# KiCad board cleanrobot-square-main.kicad_pcb (continued)
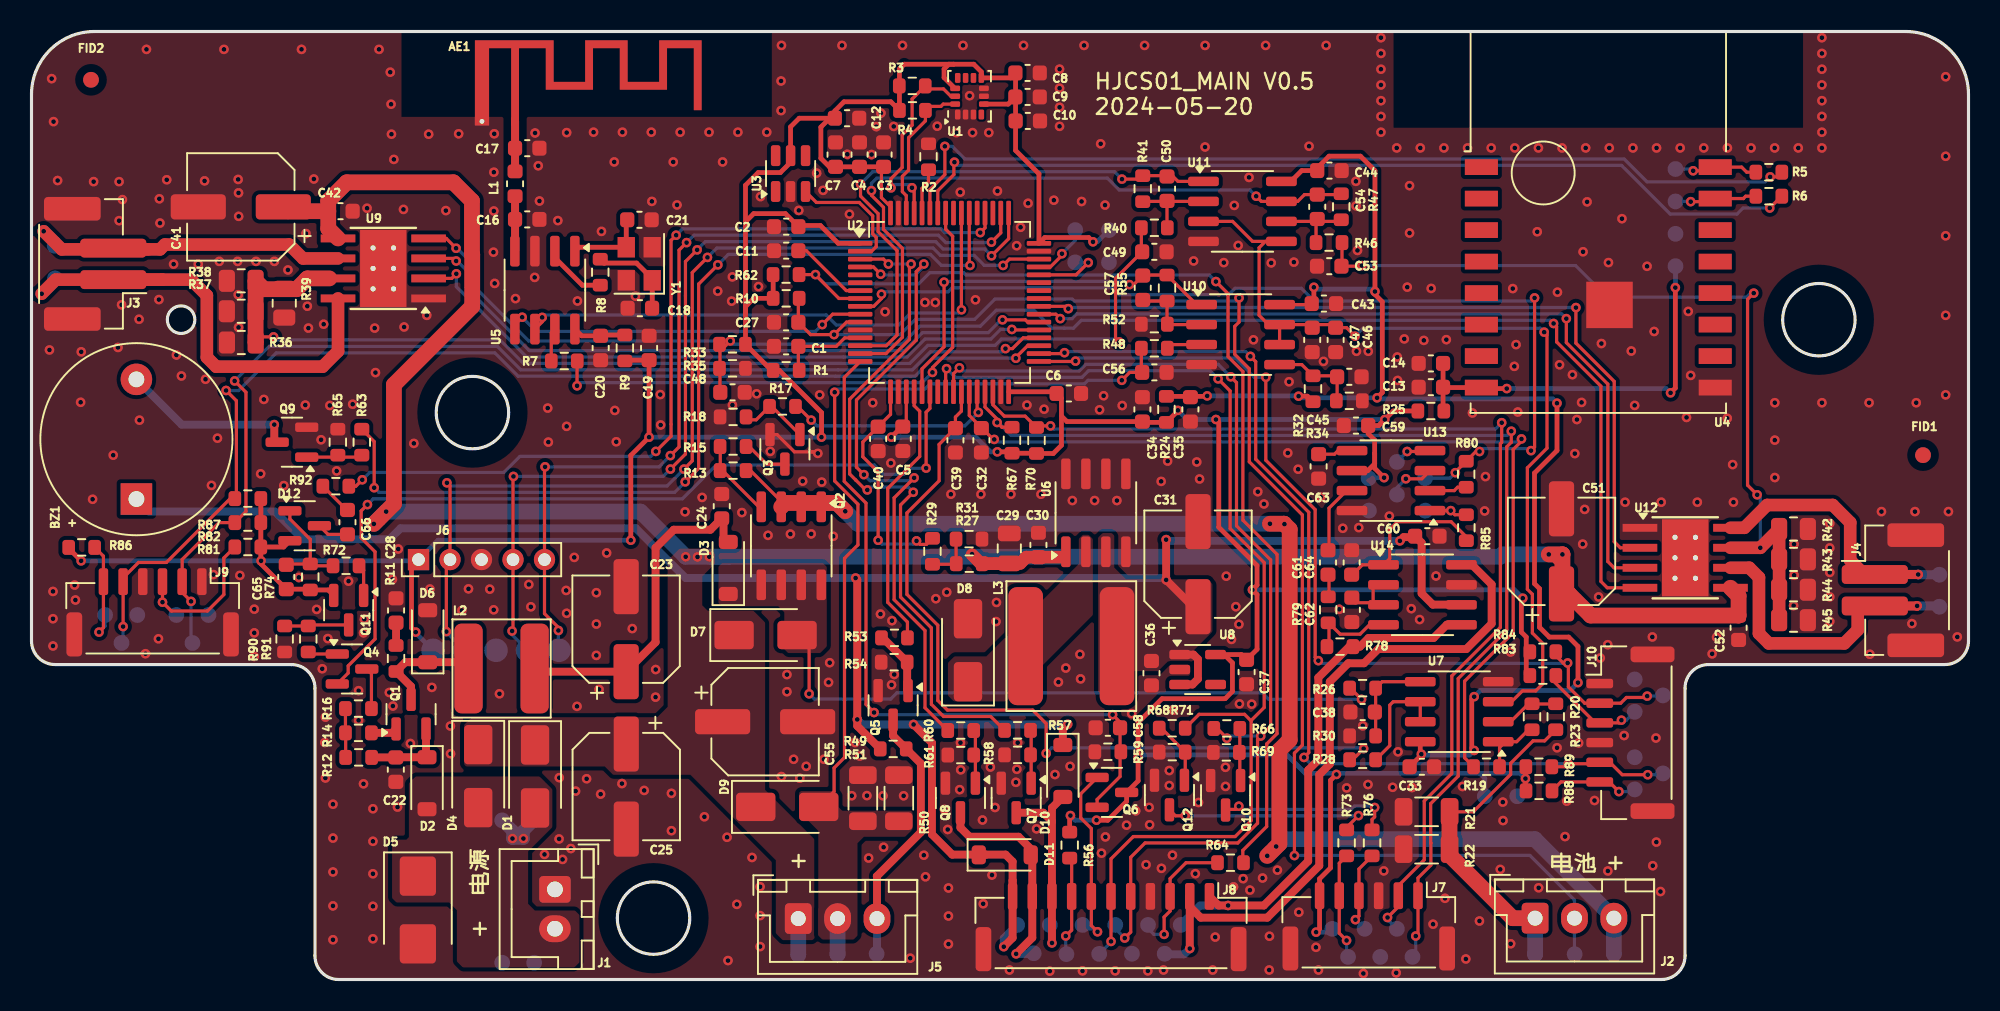
[diagram p0: board, top side]
## Routing (per net, layer and track width the routed paths; a pad name or vN(x,y) marks a point on that pad's centre or on a via; arc(x,y) is an arc through that point) (continued)
EDGE_DET_LB: length 73
  Top w0.203: U2.36 62.97,40.75 62.29,40.06 61.85,40.06 v1(61.85,40.06) ; v1(10.13,24.01) 9.43,24.72 9.43,25.12 J9.2 9.57,26.67 11.91,29.02 R82.2 13.62,29.72 13.62,37.29 v1(12.9,38.01)
  Bottom w0.203: v1(61.85,40.06) 61.64,39.86 57.08,39.86 55.94,38.71 51.22,38.71 51.22,38.72 31.07,38.72 29.59,40.2 15.12,40.2 15.1,40.21 v1(12.9,38.01) ; TP52.1 10.13,21.46 v1(10.13,24.01)
EDGE_DET_LT: length 74.6
  Top w0.203: v1(62.51,39.45) 62.51,39.5 63.25,40.25 U2.35 ; v1(5.82,22.41) J9.5 5.82,25.51 6.8,26.48 8.57,26.48 12.62,30.54 R87.2 13.01,30.63 13.01,36.75 v1(12.36,37.4)
  Bottom w0.203: v1(12.36,37.4) 12.64,37.4 12.65,37.4 13.15,37.4 15.54,39.79 29.42,39.79 30.9,38.31 51.05,38.31 51.05,38.31 56.11,38.31 57.25,39.45 v1(62.51,39.45) ; TP57.1 5.82,21.47 v1(5.82,22.41)
EDGE_DET_RB: length 59.7
  Top w0.203: 96.57,20.79 97.26,20.1 v1(97.54,20.1) 97.59,20.05 97.59,18.58 98.63,17.55 J10.2 100.91,17.55 101.28,17.91 102.51,17.91 v1(102.59,18) ; U2.33 66.27,39.25 v1(66.3,39.27) ; v1(81.72,20.25) 81.51,20.45 81.51,29.84 78.38,32.97 v1(78.38,38.24)
  Bottom w0.203: v1(97.54,20.1) 97.52,20.07 81.89,20.07 v1(81.72,20.25) ; v1(78.38,38.24) 77.65,38.24 76.42,39.47 66.5,39.47 v1(66.3,39.27) ; TP53.1 103.56,18 v1(102.59,18)
EDGE_DET_RT: length 65.1
  Top w0.203: v1(102.63,13) 101.01,13 100.22,13.8 J10.5 ; U2.34 65.54,39.75 v1(65.59,39.8) ; 99.49,13.7 v1(97.58,13.7) 97.39,13.51 R89.2 ; v1(77.4,39.57) 77.74,39.23 77.74,33.04 81.11,29.67 81.11,14.4 v1(80.81,14.1)
  Bottom w0.203: TP58.1 103.52,13 v1(102.63,13) ; v1(97.58,13.7) 81.21,13.7 v1(80.81,14.1) ; v1(77.4,39.57) 77.09,39.88 65.67,39.88 v1(65.59,39.8)
LED_BLUE: length 69.9
  Top w0.203: U2.24 58.05,38.73 v1(58.11,38.79) ; R68.1 74.14,16.84 77.03,16.84 77.45,16.42 77.45,10.1 76.43,9.08 69.96,9.08 68.55,7.66 J8.6 v1(68.55,2.42) ; 77.45,16.45 78.28,17.28 78.28,26.48 76.11,28.64 76.11,37.38 v1(75.35,38.14)
  Bottom w0.203: TP40.1 68.55,2.38 v1(68.55,2.42) ; v1(75.35,38.14) 74.83,38.66 67.12,38.66 66.7,38.23 58.67,38.23 58.11,38.79 v1(58.11,38.79)
LED_RED: length 67.8
  Top w0.203: v1(75.91,15.32) 75.29,15.94 R66.1 ; U2.25 58.55,38.47 v1(58.92,38.84) ; v1(76.15,38.27) 76.52,37.91 76.52,28.81 78.68,26.64 78.68,16.09 77.85,15.26 77.85,9.93 76.6,8.67 70.71,8.67 69.8,7.76 J8.5 69.8,3.01 v1(69.42,2.63)
  Bottom w0.203: v1(78.06,15.46) 76.05,15.46 v1(75.91,15.32) ; v1(58.92,38.84) 59.12,38.64 66.53,38.64 66.95,39.07 75.36,39.07 v1(76.15,38.27) ; v1(69.42,2.63) 68.82,3.23 TP26.1
PWM_FAN: length 17.1
  Top w0.203: R53.1 55.62,22.7 54.37,23.95 54.37,31.18 56.4,33.21 56.4,36.08 56.05,36.44 U2.20
PWM_LEFT1: length 42.7
  Top w0.203: U2.38 63.25,41.75 63.11,41.89 v1(61.66,41.89) ; v1(26.97,45.62) 26.8,45.79 U9.3
  Bottom w0.203: v1(61.66,41.89) 61.57,41.89 60.75,41.08 56.58,41.08 55.43,39.93 51.73,39.93 51.72,39.94 31.61,39.94 27.59,43.96 27.59,45.06 27.03,45.62 v1(26.97,45.62)
PWM_LEFT2: length 42.3
  Top w0.203: v1(62.25,41.28) 62.29,41.25 U2.37 ; v1(26.98,44.81) 26.69,44.52 U9.2
  Bottom w0.203: v1(26.98,44.81) 26.98,43.99 31.44,39.53 51.56,39.53 51.56,39.53 55.6,39.53 56.74,40.67 60.92,40.67 61.53,41.28 v1(62.25,41.28)
PWM_RIGHT1: length 52.6
  Top w0.203: v1(65.32,41.97) 65.05,42.25 U2.39 ; v1(97.46,41.97) 97.46,40.44 100.1,37.81 100.1,26.54 100.49,26.14 U12.3
  Bottom w0.203: v1(65.32,41.97) 66.07,41.97 66.37,42.27 97.16,42.27 v1(97.46,41.97)
PWM_RIGHT2: length 51.9
  Top w0.203: U2.40 65.69,42.75 v1(65.84,42.6) ; v1(98.07,42.67) 98.07,40.41 100.5,37.98 100.5,27.8 100.89,27.41 U12.2
  Bottom w0.203: v1(65.84,42.6) 65.91,42.67 98.07,42.67 v1(98.07,42.67)
SCL1: length 12.7
  Top w0.203: U2.61 56.05,50.14 v1(55.91,50.28) ; U1.13 58.38,56.09 57.91,56.55 56.94,56.55 R3.1 55.92,55.91 55.92,54.25 55.29,53.62 55.29,51.57 54.58,50.86 v1(54.58,50.27)
  Bottom w0.203: v1(55.91,50.28) 55.71,50.48 54.79,50.48 v1(54.58,50.27)
SCL2: length 72.4
  Top w0.203: v1(93.97,34.82) 93.97,34.11 93.68,33.83 93.68,22.2 90.59,19.11 90.59,12.91 88.85,11.17 88.85,8.68 88.86,8.67 88.86,7.26 88.04,6.45 J7.1 88.04,2.9 v1(87.9,2.76) ; U2.29 60.55,36.36 61.32,35.59 v1(61.32,35.37) 61.62,35.07 R67.2
  Bottom w0.203: TP42.1 87.9,1.65 v1(87.9,2.76) ; v1(93.97,34.82) 93.69,34.55 62.21,34.55 61.38,35.37 v1(61.32,35.37)
SDA1: length 9.3
  Top w0.203: U1.14 57.9,55.59 57.75,55.44 57.02,55.44 R4.1 56.76,54.53 55.69,53.45 55.69,51.4 55.3,51 55.3,50.03 55.55,49.78 U2.62
SDA2: length 69.4
  Top w0.203: v1(86.11,3.94) 86.79,4.62 J7.2 86.79,5.95 88.44,7.6 88.44,11.33 90.19,13.08 90.19,19.28 93.27,22.36 93.27,34.02 93.36,34.11 93.36,35.07 93.36,35.07 v1(93.36,35.36) ; U2.30 61.05,36.5 61.77,35.77 63.1,35.77 R70.2 63.92,35.15 v1(64.71,35.15)
  Bottom w0.203: v1(86.11,3.94) 86.11,3.81 TP43.1 ; v1(64.71,35.15) 64.91,34.95 92.95,34.95 v1(93.36,35.36)
SPRAY_BACK: length 42.9
  Top w0.203: v1(54.41,45.43) 54.1,45.75 U2.3 ; v1(55.99,30.94) 55.18,30.13 55.18,24.29 57.14,22.33 57.14,17.48 57.92,16.7 60.91,16.7 R57.1 ; v1(55.85,45.43) 55.75,45.33 55.75,40.65 51.95,36.85 51.95,32.1 52.33,31.72 52.33,31.72 52.97,31.09 v1(53.07,31.09)
  Bottom w0.203: v1(55.85,45.43) 55.85,45.43 v1(54.41,45.43) ; v1(55.99,30.94) 55.67,31.27 53.25,31.27 v1(53.07,31.09)
SPRAY_BACK_N: length 13.9
  Top w0.5: 64.8,10.04 64.25,10.59 Q7.3 ; D10.2 64.8,10.9 64.8,6.14 ; 64.8,6.14 J8.9 ; 64.8,6.14 v1(64.8,2.32)
  Bottom w0.5: 64.79,3.34 64.79,2.33 v1(64.8,2.32)
SPRAY_FRONT: length 41.4
  Top w0.203: 58.18,15.81 56.74,17.26 56.74,22.16 54.78,24.12 54.78,30.59 v1(56.05,31.86) ; U2.4 53.46,45.25 v1(53.92,44.79) ; v1(56.66,45.43) 56.18,44.95 56.18,40.6 52.39,36.8 52.39,32.53 v1(52.86,32.06)
  Bottom w0.203: v1(52.86,32.06) 53.24,31.67 55.86,31.67 v1(56.05,31.86) ; v1(56.66,45.43) 56.66,45.3 56.11,44.74 53.97,44.74 v1(53.92,44.79)
SPRAY_FRONT_N: length 14.2
  Top w0.5: v1(62.52,1.63) 63.55,2.65 J8.10 63.55,8.2 62.68,9.07 59.57,9.07 58.99,9.64 Q8.3
  Bottom w0.5: v1(62.52,1.63) 63.6,1.63 TP36.1
START: length 70.2
  Top w0.203: R62.2 v1(49.78,44.76) 49.78,44.74 51.27,43.25 U2.8 ; R64.1 76.92,7.46 76.92,8.2 78.43,9.71 78.43,14.96 79.09,15.61 79.09,27 76.92,29.17 76.92,38.61 75.98,39.55 75.98,43.55 v1(75.21,44.32)
  Bottom w0.203: v1(75.21,44.32) 74.8,44.74 59.34,44.74 59.19,44.89 57.05,44.89 56.33,44.18 50.37,44.18 v1(49.78,44.76)
SWCLK: length 58.7
  Top w0.203: v1(42.27,46.33) 41.53,45.59 41.53,33.37 v1(40.57,32.41) ; v1(30.52,22.13) 30.58,22.19 J6.4 30.58,31.92 v1(30.6,31.95) ; U2.49 62.05,47.04 v1(60.96,45.95)
  Bottom w0.203: v1(30.6,31.95) 40.11,31.95 v1(40.57,32.41) ; v1(60.96,45.95) 60.53,46.39 57.89,46.39 57.42,46.86 42.79,46.86 v1(42.27,46.33) ; TP25.1 30.52,21.89 v1(30.52,22.13)
SWDIO: length 62.9
  Top w0.203: U2.46 62.1,45.75 v1(61.69,45.34) ; v1(42.92,45.86) 41.96,44.89 41.96,32.94 v1(41.43,32.41) ; v1(26.34,22.09) 26.34,26.43 J6.2 26.58,31.34 v1(26.38,31.54)
  Bottom w0.203: v1(61.69,45.34) 60.5,45.34 59.87,45.98 57.72,45.98 57.25,46.45 43.52,46.45 v1(42.92,45.86) ; v1(26.38,31.54) 26.58,31.34 40.36,31.34 v1(41.43,32.41) ; TP23.1 26.34,22.06 v1(26.34,22.09)
TEMP: length 92.8
  Top w0.203: U2.11 51.76,41.75 v1(50.96,40.95) 49.47,40.95 C27.1 48.69,43.21 48.75,43.26 ; v1(80.2,7.87) 80.2,14.38 80.7,14.88 80.7,29.5 77.33,32.87 77.33,38.78 76.41,39.7 76.41,41.47 76.68,41.75 v1(76.68,43.28)
  Bottom w0.203: v1(76.68,43.28) 76.48,43.08 66.22,43.08 66.09,43.21 61.18,43.21 59.89,41.92 56.13,41.92 55.17,40.95 v1(50.96,40.95) ; v1(80.2,7.87) 80.21,7.88 95.15,7.88 97.98,5.05 J2.2 97.98,1.62 TP8.1
UART2_RX: length 56.1
  Top w0.203: v1(40.57,33.27) 41.12,33.82 41.12,46.32 v1(41.6,46.79) ; v1(33.46,22.16) 33.46,22.35 32.58,23.23 J6.5 32.58,32.52 v1(32.61,32.56) ; v1(60.96,46.82) 61.55,47.41 U2.50
  Bottom w0.203: v1(60.96,46.82) 60.93,46.8 58.05,46.8 57.59,47.26 42.07,47.26 v1(41.6,46.79) ; v1(32.61,32.56) 39.85,32.56 v1(40.57,33.27) ; v1(33.46,22.16) 33.46,20.95 TP30.1
VOICE_DATA: length 61.6
  Top w0.203: U2.9 53.48,42.75 53.97,43.24 v1(53.97,43.52) ; v1(90.41,32.18) 90.41,32.22 R80.1 91.72,33.53 v1(91.95,33.53) ; v1(95.22,33.59) 95.44,33.81 v1(95.44,43.28)
  Bottom w0.203: v1(91.95,33.53) 92.13,33.71 95.09,33.71 v1(95.22,33.59) ; v1(53.97,43.52) 54.13,43.67 58.2,43.67 58.45,43.92 68.62,43.92 69.06,43.49 76.02,43.49 76.43,43.89 80.63,43.89 81.45,43.08 95.24,43.08 v1(95.44,43.28) ; v1(90.41,32.18) 90.06,31.83 TP46.1
VREF55: length 58.2
  Top w0.203: v1(84.05,40.85) 83.51,41.39 82.81,41.39 82.61,41.59 U10.7 ; U10.6 U10.7 ; U10.7 78.54,41.59 77.95,42.18 77.95,46.47 78.36,46.87 U11.5 77.54,46.87 76.27,48.14 U11.3 ; U7.3 93.99,17.64 94.67,18.33 95.51,18.33 95.96,18.78 95.96,21.35 95.31,22 95.31,24.47 94.99,24.78 94.99,32.49 96.23,33.74 96.23,40.93 v1(96.05,41.11)
  Bottom w0.203: v1(84.05,40.85) 84.55,41.36 95.81,41.36 v1(96.05,41.11)
WATER_DET: length 45.4
  Top w0.203: v1(68.65,16.82) 69.12,16.34 C58.1 69.12,12.89 67.67,11.43 Q6.2 ; v1(53.5,16.95) 52.99,17.47 52.99,30.25 51.61,31.63 51.61,38.23 U2.16
  Bottom w0.203: v1(53.5,16.95) 53.64,16.82 v1(68.65,16.82)
WATER_DET_N: length 11.8
  Top w0.203: v1(67.69,3.03) 67.3,3.42 J8.7 67.3,9.58 66.62,10.26 66.62,11.79 Q6.1
  Bottom w0.203: v1(67.69,3.03) 67.51,3.21 67,3.21 TP39.1
WATER_DET_P: length 6.3
  Top w0.203: v1(65.68,2.76) 66.05,3.14 J8.8 66.05,7.59 R56.2
  Bottom w0.203: TP38.1 65.68,1.66 v1(65.68,2.76)
Net-(AE1-A): length 3.2
  Top w0.508: AE1.1 C17.2 L1.2
Net-(BZ1-+): length 11.1
  Top w0.5: v1(15.42,35.24) 15.42,34.31 Q9.3
  Bottom w0.5: v1(15.42,35.24) 9.53,35.24 BZ1.2
Net-(C18-Pad1): length 5.7
  Top w0.305: R8.2 36.36,45.49 38.42,45.49 39.42,44.5 Y1.1 39.42,42.64 C18.1
Net-(C28-Pad1): length 1.4
  Top w0.5: R11.2 C28.1
Net-(C61-Pad2): length 1.4
  Top w0.203: 82.39,24.28 82.39,25.72
Net-(C65-Pad2): length 7
  Top w0.203: R74.1 16.23,26.39 C65.2 ; R74.1 17.81,26.27 R72.1 ; R74.1 17.7,27.95 16.41,29.24 D12.1
Net-(C66-Pad1): length 2
  Top w0.203: C66.1 18.83,28.27 D12.3
Net-(C66-Pad2): length 2.2
  Top w0.203: R92.2 20.01,29.82 C66.2
Net-(D2-K): length 5.3
  Top w0.5: R12.1 21.6,14.1 23.13,14.1 23.15,14.11 D2.1 25.05,14.18 Q1.2
Net-(D3-A): length 20.6
  Top w0.203: L2.2 32.15,19.55
  Top w0.5: 43.94,29.17 43.94,28.09 ; C24.1 43.11,28.56 40.78,28.56 39.63,27.41 39.63,21.42 C23.1 32.15,19.55
Net-(D6-K): length 7.2
  Top w0.203: 27.35,20.15 L2.1
  Top w0.5: Q1.3 24.1,18.61 R11.1 23.74,20.15 27.35,20.15
Net-(D9-A): length 51.8
  Top w0.203: D9.2 50.96,11.94 50.96,13.44 51.63,14.1 51.63,26.75 52.48,27.6 52.48,30.18 51,31.66 v1(51,37.29) ; v1(69.23,38.05) 69.74,38.55 C56.2 70.48,38.6 R48.1
  Bottom w0.203: v1(69.23,38.05) 67.09,38.05 66.86,37.83 57.06,37.83 56.73,37.5 51.2,37.5 v1(51,37.29)
  Bottom w1: J5.2 51.19,1.62 TP15.1
Net-(J5-Pin_3): length 16.7
  Top w0.5: J5.3 53.69,6.55 53.68,6.56 56.48,9.35 56.48,13.71 R49.2 54.71,15.48 Q5.3
  Bottom w0.5: TP16.1 53.69,1.66 J5.3
Net-(J7-Pin_4): length 5.3
  Top w0.203: R76.2 84.29,7.02 J7.4 84.29,4.02 v1(84.07,3.8)
  Bottom w0.203: TP32.1 84.07,3.8 v1(84.07,3.8)
Net-(J7-Pin_5): length 6.8
  Top w0.203: R73.2 83.04,7.39 J7.5 83.04,2.94 v1(83.51,2.48)
  Bottom w0.203: v1(83.51,2.48) 83.51,1.53 TP34.1
Net-(J8-Pin_3): length 8.5
  Top w0.203: v1(71.92,2.87) 71.92,3.97 72.3,4.34 J8.3 72.3,6.41 73.31,7.42 R64.2
  Bottom w0.203: v1(71.92,2.87) 71.27,2.87 70.9,3.24 TP29.1
Net-(J9-Pin_3): length 10.4
  Top w0.203: J9.3 v1(8.32,23.96) 8.88,23.4 11.17,23.4 12.21,24.44 12.21,26.77 R81.2
  Bottom w0.203: TP55.1 9.13,23.15 v1(8.32,23.96)
Net-(J9-Pin_6): length 7
  Top w0.203: v1(4.29,22.06) 4.57,22.34 J9.6 4.57,26.88 R86.2
  Bottom w0.203: v1(4.29,22.06) 4.67,22.45 TP72.1
Net-(J10-Pin_3): length 6.9
  Top w0.203: 96.57,19.29 96.57,19.03 99.3,16.3 J10.3 100.79,16.3 v1(100.96,16.47)
  Bottom w0.203: TP56.1 101.27,16.47 v1(100.96,16.47)
Net-(J10-Pin_6): length 5.8
  Top w0.203: R88.2 97.12,12.55 J10.6 100.19,12.55 v1(100.8,11.93)
  Bottom w0.203: v1(100.8,11.93) 101.66,11.93 TP73.1
Net-(Q1-G): length 1.7
  Top w0.5: Q1.1 22.9,15.66 R14.1
Net-(Q2-G): length 5.2
  Top w0.203: 43.74,34.01 43.74,32.49 43.72,32.48 46.19,30.02 Q2.4
Net-(Q3-B): length 4.5
  Top w0.203: Q3.1 47,36.39 R17.1 46.02,35.54 45.4,35.54
Net-(Q3-C): length 3
  Top w0.203: 45.4,34.01 46.69,32.73 Q3.3
Net-(Q4-B): length 1.9
  Top w0.203: Q4.1 17.7,20.67 R91.2
Net-(Q4-C): length 2.6
  Top w0.203: R16.2 21.59,19.42 Q4.3
Net-(Q5-B): length 4.1
  Top w0.5: R53.2 54.06,21.7 R54.2 55.6,18.4 Q5.1
Net-(Q7-G): length 3.4
  Top w0.203: R57.2 63.48,15.78 Q7.1
Net-(Q8-G): length 3.4
  Top w0.203: Q8.1 59.94,15.71 R60.2
Net-(Q9-B): length 3.5
  Top w0.203: Q9.1 20.85,33.17 R63.2
Net-(Q10-B): length 3.3
  Top w0.203: R66.2 76.73,12.68 Q10.1
Net-(Q11-B): length 2
  Top w0.203: Q11.1 21.09,25.98 20.8,26.27
Net-(Q11-C): length 4.1
  Top w0.203: Q11.3 17.64,22.51 R91.1 R90.1
Net-(Q12-B): length 4.1
  Top w0.203: R68.2 71.75,15.96 R71.1 73.26,12.7 Q12.1
Net-(R12-Pad2): length 3.1
  Top w0.203: R12.2 19.95,15.65 R14.2 R16.1
Net-(R19-Pad1): length 3.5
  Top w0.203: 93.22,13.55 93.22,14.73 93.59,15.1 94.31,15.1 95.05,15.85
Net-(R27-Pad2): length 3.1
  Top w0.203: R29.1 58.68,26.37 R27.2 58.71,26.42 R31.1
Net-(U2-BOOT0): length 2.9
  Top w0.203: R2.2 56.96,50.65 56.55,50.24 U2.60
Net-(U2-NRST): length 5
  Top w0.203: C11.2 49.2,46.28 51.74,43.75 U2.7
Net-(U2-VDDA): length 5.7
  Top w0.203: 48.75,38.68 48.69,38.73 C1.2 51.1,40.21 51.64,40.75 U2.13
Net-(U4-TL_B1): length 5.4
  Top w0.203: v1(105.51,51.36) 106.68,51.36 U4.16 108.59,51.59 108.92,51.27 R5.1
  Bottom w0.203: v1(105.51,51.36) 105.4,51.47 TP4.1
Net-(U4-TL_B7): length 5.3
  Top w0.203: R6.1 108.85,49.74 108.71,49.6 108.71,49.59 106.92,49.59 U4.15 106.72,49.39 v1(105.36,49.39)
  Bottom w0.203: v1(105.36,49.39) 105.34,49.41 TP5.1
Net-(U5-ANT): length 3.5
  Top w0.508: U5.4 30.71,46.26 C16.2 L1.1
Net-(U5-DATA/MOSI): length 2.1
  Top w0.203: R7.2 33.01,41.07 U5.7
Net-(U5-VDD): length 3.4
  Top w0.305: U5.8 34.93,40.88 C20.1 36.19,40.93 R9.2
Net-(U5-XC1): length 5.1
  Top w0.305: U5.1 34.75,46.5 Y1.3 37.77,48.18 C21.1
Net-(U5-XC2): length 4
  Top w0.305: R8.1 34.98,44.09 33.24,45.83 U5.2
Net-(U7A--): length 3.9
  Top w0.203: 96.56,17.5 95.05,17.5 93.93,16.37 U7.2
Net-(U7B-+): length 6
  Top w0.203: U7.5 85.76,18.91 85.35,18.5 85.35,15.47
Net-(U7B--): length 7.1
  Top w0.203: U7.7 U7.6 86.47,17.64 86.25,17.42 86.25,14.85 85.35,13.95
Net-(U9-ISEN): length 73.6
  Top w0.203: v1(15.37,40.81) 14.59,40.81 R36.1 ; R40.1 70.48,46.26 C49.1 68.84,44.52 68.84,40.72 v1(69.07,40.49)
  Top w1: 18.91,44.52 17.52,44.52 16.83,43.84 14.76,43.84 R38.1 14.23,40.46 R36.1
  Bottom w0.203: v1(15.37,40.81) 15.56,40.62 29.74,40.62 31.24,39.12 51.39,39.12 51.39,39.12 55.77,39.12 56.91,40.27 61.18,40.27 61.59,40.67 68.88,40.67 v1(69.07,40.49)
Net-(U10A-+): length 2.3
  Top w0.203: R48.2 72.36,40.32 U10.3
Net-(U10A--): length 5.2
  Top w0.203: U10.2 72.15,41.59 R52.2 72.11,41.63 R55.1 70.63,43.08 C57.1
Net-(U10B-+): length 5.5
  Top w0.203: U10.5 80.66,39.05 R32.2 82.84,38.34 C45.1 82.91,36.8 R34.1
Net-(U11A--): length 5.6
  Top w0.203: C50.1 72.11,47.75 R40.2 ; U11.2 70.58,49.41 R41.1
Net-(U11B--): length 5.4
  Top w0.203: C54.1 81.57,48.22 R46.2 ; R47.1 83.07,48.14 U11.6
Net-(U12-ISEN): length 54.7
  Top w0.203: v1(84.48,45.34) 84.44,45.3 C53.1 83.22,45.33 R46.1 ; v1(109.58,30.78) 108.97,31.39 108.97,43.2 v1(109.36,43.59)
  Top w0.8: R45.1 R42.1 v1(109.78,27.41) U12.7
  Bottom w0.203: v1(109.58,30.78) 109.78,30.58 v1(109.78,27.41) ; v1(84.48,45.34) 98.05,45.34 100.06,43.33 108.91,43.33 109.17,43.59 v1(109.36,43.59)
Net-(U12-VREF): length 100.5
  Top w0.203: v1(26.96,46.44) 26.34,47.06 U9.4 ; v1(96.65,41.66) 96.84,41.47 96.84,40.49 99.66,37.67 99.66,25.28 100.06,24.87 U12.4 ; v1(44.37,40.55) 43.72,39.89 43.72,37.31 C48.1
  Bottom w0.203: v1(26.96,46.44) 27.02,46.44 27.99,45.46 27.99,44.13 31.57,40.55 v1(44.37,40.55) 44.57,40.34 51.89,40.34 51.9,40.34 55.26,40.34 56.41,41.48 60.24,41.48 61.26,42.5 63.65,42.5 64.79,41.36 65.58,41.36 65.58,41.36 66.16,41.36 66.67,41.86 96.45,41.86 v1(96.65,41.66)
Net-(U13-PC1/SO): length 2.4
  Top w0.203: R80.2 90.56,31.26 90.34,31.05 88.8,31.05
Net-(U13-PI0/SI): length 3
  Top w0.203: v1(87.27,31.8) 88.29,31.8 U13.3
  Bottom w0.203: TP48.1 86.7,31.23 v1(87.27,31.8)
Net-(U13-PI1/SCK): length 2.4
  Top w0.203: U13.4 88.75,33.53 v1(87.35,33.53)
  Bottom w0.203: v1(87.35,33.53) 86.7,32.88 TP47.1
Net-(U13-PWMN): length 2.2
  Top w0.203: C63.1 81.73,33.36 82.74,33.36 82.97,33.59 U13.5
Net-(U13-PWMP/DAC): length 4.6
  Top w0.203: 83.85,31.05 83.51,31.05 82.39,29.93 82.39,27.27
Net-(U14-BYPASS): length 2.7
  Top w0.203: 85.19,25.08 85.19,23.93 84.06,23.93 83.89,24.09 83.89,24.23
Net-(U14-IN-): length 4.9
  Top w0.203: R78.1 82.39,21.27 82.39,22.63 83.1,21.93 84.36,21.93 84.97,22.54 85.19,22.54
Net-(U14-~{SD}): length 10.3
  Top w0.203: 83.89,25.72 84.51,26.34 U14.1 86.25,26.73 86.25,28.58 86.74,29.07 90.15,29.07 91.11,28.11 R85.2

## Copper pours and planes (outline as drawn; the poured copper is in the pictures)
+5V on Top: 67.73,28.06 67.73,18.21 68.56,18.21 69.94,19.58 71.54,19.58 71.96,20 71.96,20 72.16,20.2 73.7,20.2 73.8,20.3 73.8,20.9 74.87,21.96 74.99,22.09 74.99,25.12 74.69,25.42 69.5,25.42 68.75,26.16 68.75,28.19 68.6,28.35 68.01,28.35
+24V on Top: 23.97,12.46 23.97,9.04 23.8,8.88 23.07,8.88 22.9,8.7 22.9,5.17 23.17,4.89 26.52,4.89 27.01,4.4 27.01,1.14 27.39,0.77 34.48,0.77 34.79,1.09 34.79,4.1 34.52,4.38 31.97,4.38 31.53,4.81 31.53,8.13 33.07,9.67 33.07,12.08 32.26,12.89 24.39,12.89
GND on Top, Bottom: -0.04,-0.05 122.6,-0.05 123.2,0.54 123.2,60.14 123.09,60.24 -0.03,60.24 -0.04,60.24
VDD on Top: 27.47,16.16 27.47,13.66 27.6,13.53 36.4,13.53 36.93,13 41.84,13 47.26,7.57 47.26,2.93 47.69,2.5 49.6,2.5 49.83,2.73 49.83,8.8 46.59,12.04 46.59,22.67 45.84,23.42 42.94,23.42 42.59,23.76 42.59,25.6 43.39,26.4 43.39,27.05 43.08,27.36 41.15,27.36 40.4,26.61 40.4,17.31 39.74,16.66 27.96,16.66
+BATT on Top: 43.62,26.22 43.62,23.92 43.83,23.7 47.42,23.7 47.8,23.32 47.8,20.97 48.05,20.73 50.08,20.73 50.5,21.15 50.5,26.2 50.26,26.45 43.84,26.45
Net-(D8-K) on Top: 66.51,27.99 66.51,26.4 60.63,20.52 58.61,20.52 58.2,20.11 58.2,18.03 58.57,17.66 61.91,17.66 67.4,23.14 67.4,27.97 67.13,28.24 66.75,28.24
Net-(D9-A) on Top: 48.74,11.86 48.74,10.67 49.96,9.44 49.96,4.57 49.95,4.56 49.95,2.8 50.21,2.54 52.21,2.54 52.45,2.78 52.45,8.66 52.86,9.06 55.68,9.06 55.95,9.34 55.95,10.62 55.85,10.72 51.48,10.72 51.24,10.96 51.24,11.72 51,11.97 48.84,11.97

## Text on the board
B.Silkscreen: RX CLK GND DIO 3V3
User.Drawings: V1.0 | 2024/01/29 | V\f@SimHei|b0|i0|c134|p49;2.0
F.Fab: HJCS01_MAIN ${REVISION} / ${ISSUE_DATE}
F.Silkscreen: HJCS01_MAIN ${REVISION} / ${ISSUE_DATE} | + | 电池 | 电源
